# KiCad board EGSE.kicad_pcb (continued)
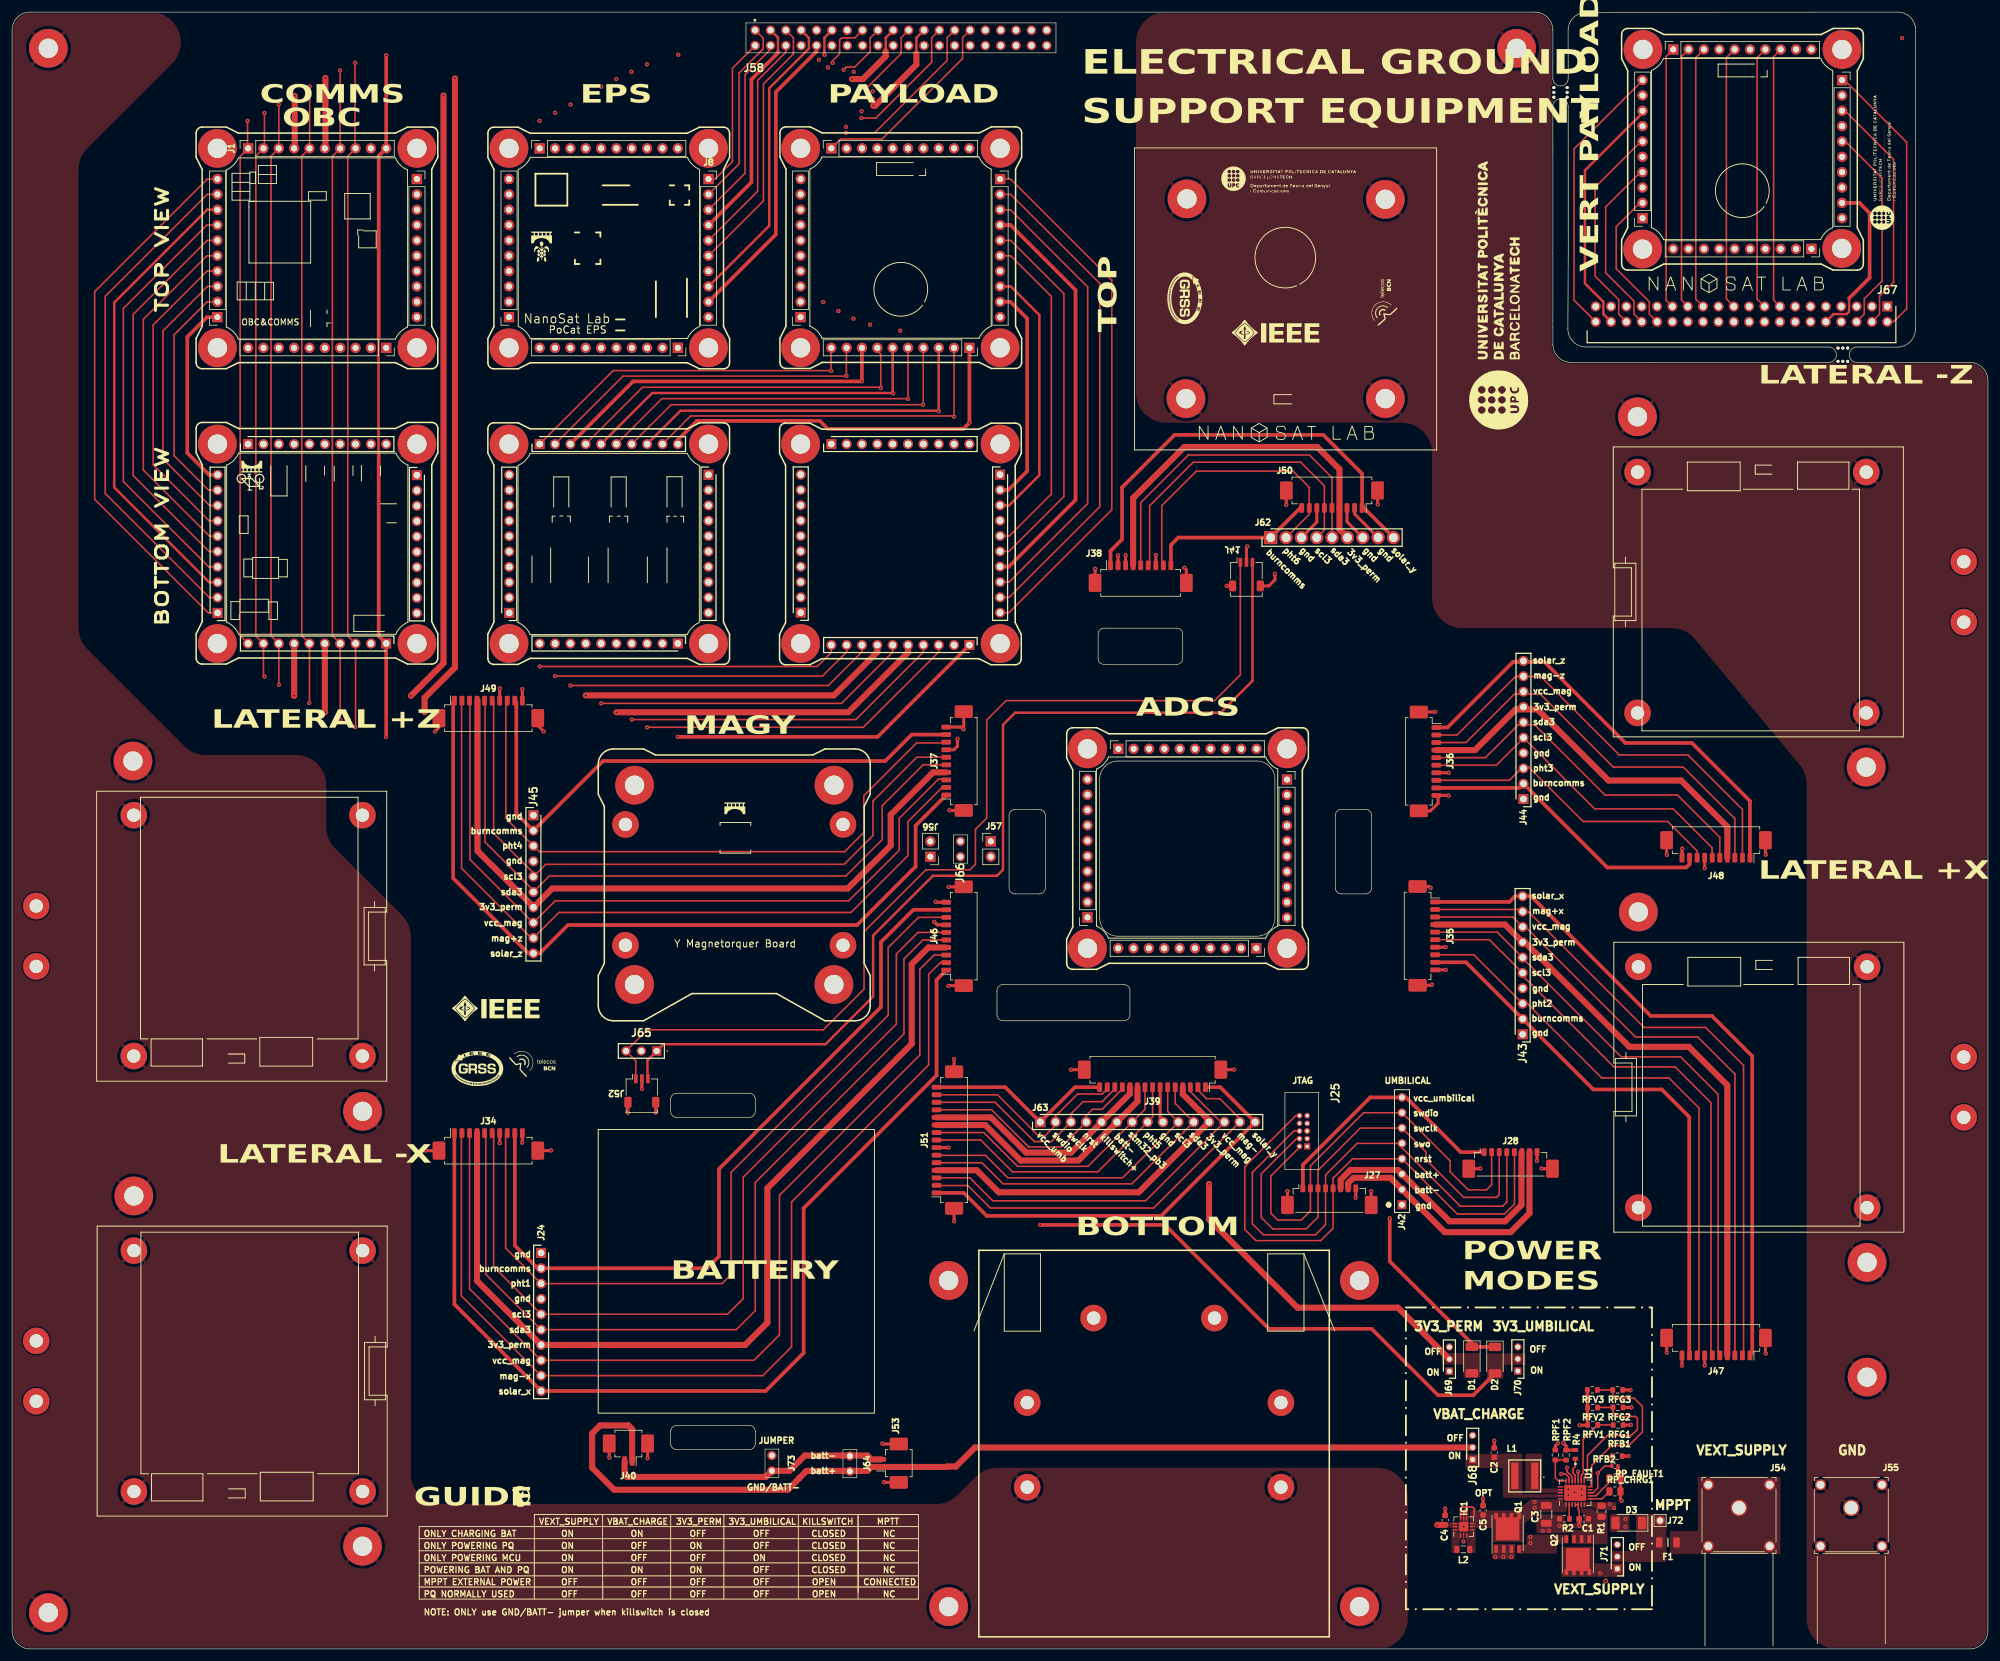
[diagram p0: board, top side]
## Library data of the parts
C1 = -: BOM_LINK: https://www.mouser.es/ProductDetail/Murata-Electronics/GRM155R61C225KE11D?qs=abmNkq9no6Dx34wqs3KPpA%3D%3D; BOM_MANUFACTURER: Murata; BOM_MANUFACTURER PART: GRM155R61C225KE11D; BOM_SUPPLIER: Mouser; BOM_SUPPLIER PART: 81-GRM155R61C225KE1D; CONTRIBUTOR: LCEDA_Lib; NAMEALIAS: Value(F); SPICEPRE: C; SPICESYMBOLNAME: C_0603_US
C2 C5 = -: BOM_LINK: https://www.mouser.es/ProductDetail/Murata-Electronics/GRM188R61A106KAALD?qs=hNud%2FORuBR1jLt1kfFGn6g%3D%3D; BOM_MANUFACTURER: Murata; BOM_MANUFACTURER PART: GRM188R61A106KAALD; BOM_SUPPLIER: Mouser; BOM_SUPPLIER PART: 81-GRM188R61A106KALD; CONTRIBUTOR: LCEDA_Lib; NAMEALIAS: Value(F); SPICEPRE: C; SPICESYMBOLNAME: C_0603_US
C3 = -: BOM_LINK: https://www.mouser.es/ProductDetail/Murata-Electronics/GRM033R61A225ME47D?qs=%2Fha2pyFaduiC0uiaBjWXbwTfZ1eMqYK7Xma06%2F3zFsdiuhBAB1jEE%2FfoI85Se8YB; BOM_MANUFACTURER: Murata; BOM_MANUFACTURER PART: GRM21BR60J107ME15K; BOM_SUPPLIER: Mouser; BOM_SUPPLIER PART: 81-GRM21BR60J107ME5K; CONTRIBUTOR: LCEDA_Lib; NAMEALIAS: Value(F); SPICEPRE: C; SPICESYMBOLNAME: C_0603_US
C4 = -: BOM_LINK: https://www.mouser.es/ProductDetail/Murata-Electronics/GRM187R61A226ME15J?qs=5aG0NVq1C4zp9gekqoIe8Q%3D%3D; BOM_MANUFACTURER: Murata; BOM_MANUFACTURER PART: GRM187R61A226ME15J; BOM_SUPPLIER: Mouser; BOM_SUPPLIER PART: 81-GRM187R61A226ME5J; CONTRIBUTOR: LCEDA_Lib; NAMEALIAS: Value(F); SPICEPRE: C; SPICESYMBOLNAME: C_0603_US
D1-D3 = -: Manufacturer 1: ROHM Semiconductor; Manufacturer Part Number 1: RBS1LAM40ATR; SPICEPRE: D; SPICESYMBOLNAME: PDZVTR4.7B; Sim.Device: SPICE; Sim.Pins: 1=1 2=2; Supplier 1: Mouser; Supplier Part Number 1: 755-RBS1LAM40ATR
F1 = -: Description: Surface Mount Fuses 0.8A Slow Blow 1206 SinglFuse; Height: 0.7; Manufacturer_Name: Bourns; Mouser Part Number: 652-SF-1206S080-2; Mouser Price/Stock: https://www.mouser.co.uk/ProductDetail/Bourns/SF-1206S080-2?qs=GIQXYiEeHGCINTv668OAKQ%3D%3D
H1-H16 H33-H48 H52 H56-H62 H67-H82 = -: Description: Mounting Hole with connection; Manufacturer 1: -; Manufacturer Part Number 1: -; Supplier 1: -; Supplier Part Number 1: -
H17-H32 H49-H51 H53-H55 H63-H66 = -: Description: Mounting Hole with connection
IC1 = -: BOM_LINK: https://es.farnell.com/renesas/isl9120irtnz/conver-dc-dc-buck-boost-0-8a-tqfn/dp/2630543?ost=isl9120irtnz; BOM_MANUFACTURER: Renesas / Intersil; BOM_SUPPLIER: Farnell; BOM_SUPPLIER PART: 2630543; SPICEPRE: I
J1-J12 J29-J33 J59-J61 = -: Description: Generic connector, single row, 01x10, script generated (kicad-library-utils/schlib/autogen/connector/); CONTRIBUTOR: George-vlad Enache; Manufacturer 1: Samtec; SPICEPRE: J; Supplier 1: Mouser; Supplier Part Number 1: 200-CES11002LS
J13-J23 J26 = -: Description: Conn Unshrouded Header HDR 10 POS 2.54mm Solder ST Thru-Hole Bulk; Height: 8.38; Manufacturer_Name: SAMTEC; Manufacturer_Part_Number: HTSW-110-07-G-S; Mouser Part Number: 200-HTSW11007GS; Mouser Price/Stock: https://www.mouser.co.uk/ProductDetail/Samtec/HTSW-110-07-G-S?qs=0lQeLiL1qyY4qSdMhVu1cw%3D%3D
J24 J43-J45 = -: Description: Conn Unshrouded Header HDR 10 POS 2.54mm Solder ST Thru-Hole Bulk; Height: 8.38; Manufacturer_Name: SAMTEC; Mouser Part Number: 200-HTSW11007GS; Mouser Price/Stock: https://www.mouser.co.uk/ProductDetail/Samtec/HTSW-110-07-G-S?qs=0lQeLiL1qyY4qSdMhVu1cw%3D%3D
J25 = -: Description: .050" Shrouded Terminal Strip For FFSD, through hole, dual row,  positions per row; Height: 5.33; Manufacturer_Name: SAMTEC; Mouser Part Number: 200-SHF10501LDTH; Mouser Price/Stock: https://www.mouser.co.uk/ProductDetail/Samtec/SHF-105-01-L-D-TH?qs=92ilVni64gw13%252BsAItGYwA%3D%3D
J27 J28 = -: Description: Generic connectable mounting pin connector, single row, 01x08, script generated (kicad-library-utils/schlib/autogen/connector/)
J34-J37 J46-J49 = -: Description: Generic connectable mounting pin connector, single row, 01x10, script generated (kicad-library-utils/schlib/autogen/connector/)
J38 J50 = -: Description: Generic connectable mounting pin connector, single row, 01x09, script generated (kicad-library-utils/schlib/autogen/connector/)
J39 J51 = -: Description: Generic connectable mounting pin connector, single row, 01x15, script generated (kicad-library-utils/schlib/autogen/connector/); BOM_JLCPCB PART CLASS: Extended Part; BOM_MANUFACTURER: MOLEX; BOM_MANUFACTURER PART: 532611471; BOM_SUPPLIER: LCSC; BOM_SUPPLIER PART: C505101; CONTRIBUTOR: LCSC; SPICEPRE: C; SPICESYMBOLNAME: 532611471
J40 J53 = -: Description: Generic connectable mounting pin connector, single row, 01x02, script generated (kicad-library-utils/schlib/autogen/connector/); BOM_JLCPCB PART CLASS: Extended Part; BOM_MANUFACTURER: MOLEX; BOM_MANUFACTURER PART: 532610271; BOM_SUPPLIER: LCSC; BOM_SUPPLIER PART: C189700; CONTRIBUTOR: LCSC; SPICEPRE: C; SPICESYMBOLNAME: 532610271
J41 J52 = -: Manufacturer 1: Molex; Manufacturer Part Number 1: 203556-0307; Supplier 1: Mouser; Supplier Part Number 1: 538-203556-0307
J42 = -: Description: CONNECTOR HEADER, 8 WAY, 1ROW; Manufacturer_Name: SAMTEC; Mouser Part Number: 200-TLW10805TS; Mouser Price/Stock: https://www.mouser.com/Search/Refine.aspx?Keyword=200-TLW10805TS
J56 J57 = -: CONTRIBUTOR: George-vlad Enache; Manufacturer 1: Samtec; SPICEPRE: J; SPICESYMBOLNAME: CES-110-02-L-S; Supplier 1: Mouser; Supplier Part Number 1: 200-CES10202LS
J58 = -: Description: 40 Position, .100&quot; Tiger Buy&trade; Socket Strip, Square Tail; Manufacturer_Name: SAMTEC; Mouser Part Number: 200-SSQ12001LD; Mouser Price/Stock: https://www.mouser.co.uk/ProductDetail/Samtec/SSQ-120-01-L-D?qs=%252BZP6%2F%252BtExtDg5xp9qJK50A%3D%3D
J62 = -: Description: BergStik, Board to Board connector, Unshrouded vertical header, Through Hole, Single Row, , 9  Positions, 2.54 mm (0.100in) Pitch.; Height: 11.43; Manufacturer_Name: Amphenol Communications Solutions; Mouser Part Number: 649-68001-109HLF; Mouser Price/Stock: https://www.mouser.co.uk/ProductDetail/Amphenol-FCI/68001-109HLF?qs=p7Li5uGGkAqGed8d9fiXyg%3D%3D
J63 = -: Description: Headers & Wire Housings KK 100 Hdr Assy Bkwy Bkwy 15 Ckt 15 SGold; Height: 8.38; Manufacturer_Name: Molex; Mouser Part Number: 538-22-28-4153; Mouser Price/Stock: https://www.mouser.co.uk/ProductDetail/Molex/22-28-4153?qs=GAPJcf4kvdsoj3RPHU9ocw%3D%3D
J64 J66 J73 = -: Description: Mod II Header,vertical,1row,2way; Height: 10.3632; Manufacturer_Name: TE Connectivity; Mouser Part Number: 571-872242; Mouser Price/Stock: https://www.mouser.co.uk/ProductDetail/TE-Connectivity/87224-2?qs=ZDXmSm13591yVHBRfmL3UQ%3D%3D
J65 = -: Description: BergStik, Board to Board connector, Unshrouded vertical Header, Through Hole, Single Row, 3 Positions, 2.54 mm Pitch.; Height: 8.58; Manufacturer_Name: Amphenol Communications Solutions; Mouser Part Number: 649-54101-S0803LF; Mouser Price/Stock: https://www.mouser.co.uk/ProductDetail/Amphenol-FCI/54101-S0803LF?qs=iiM6sTJtPEc921tw16XaKg%3D%3D
J67 = -: Description: Wurth Elektronik WR-PHD Series, Series Number 6130, 2.54mm Pitch 40 Way 2 Row Right Angle PCB Header; Height: 5.08; Manufacturer_Name: Wurth Elektronik; Mouser Part Number: 710-61304021021; Mouser Price/Stock: https://www.mouser.co.uk/ProductDetail/Wurth-Elektronik/61304021021?qs=PhR8RmCirEYuhVBB96F2cQ%3D%3D
J68-J71 = -: Description: Header, SIL, vertical, 3 way, 2mm pitch HARWIN M22 Series, 2mm Pitch 3 Way 1 Row Straight Pin Header, Through Hole, Solder Termination; Height: 5.25; Manufacturer_Name: Harwin; Mouser Part Number: 855-M22-2010305; Mouser Price/Stock: https://www.mouser.co.uk/ProductDetail/Harwin/M22-2010305?qs=xxdqPuaJ%252Ba2uPq%2FQzNRmpg%3D%3D
J72 = -: Description: Generic connector, single row, 01x01, script generated
L1 = -: Description: Inductor; Height: 3.1; Manufacturer_Name: COILCRAFT; Mouser Part Number: 994-XAL5030-222MEC; Mouser Price/Stock: https://www.mouser.co.uk/ProductDetail/Coilcraft/XAL5030-222MEC?qs=zCSbvcPd3pamMZlPWCpd5A%3D%3D
L2 = -: Description: Inductor; BOM_LINK: https://www.mouser.es/ProductDetail/TDK/TFM201610GHM-1R0MTAA?qs=%2Fha2pyFaduhFCGpDjfYY0bVS6r3wIogMLpQUADnFYLlNgBr0Z6Ta%252Bmgvt4CkS4Y0; BOM_MANUFACTURER: TDK; BOM_MANUFACTURER PART: TFM201610GHM-1R0MTAA; BOM_SUPPLIER: Mouser; BOM_SUPPLIER PART: 810-TFM201610GHM1R0A; CONTRIBUTOR: LCEDA_Lib; NAMEALIAS: Value(H); SPICEPRE: L; SPICESYMBOLNAME: L0603_US
R1 = -: BOM_LINK: https://www.mouser.es/ProductDetail/KOA-Speer/UR73V2ATTD75L0F?qs=sGAEpiMZZMvdGkrng054t0c0U24Fa%2Fv2PtepVEKuQ4tMOmwcLgCxKQ%3D%3D; BOM_MANUFACTURER: KOA Speer; BOM_MANUFACTURER PART: UR73V2ATTD75L0F; BOM_SUPPLIER: Mouser; BOM_SUPPLIER PART: 660-UR73V2ATTD75L0F; CONTRIBUTOR: LCEDA_Lib; NAMEALIAS: Value(Ω); SPICEPRE: R; SPICESYMBOLNAME: R_0603_US
R2 = -: BOM_LINK: https://www.mouser.es/ProductDetail/Panasonic/ERJ-UP3F1402V?qs=sGAEpiMZZMvdGkrng054twKDKoBh%252Bscnhuao0ys80ScQY4mcT8gT3Q%3D%3D; BOM_MANUFACTURER: Panasonic; BOM_MANUFACTURER PART: ERJ-UP3F1402V; BOM_SUPPLIER: Mouser; BOM_SUPPLIER PART: 667-ERJ-UP3F1402V; CONTRIBUTOR: LCEDA_Lib; NAMEALIAS: Value(Ω); SPICEPRE: R; SPICESYMBOLNAME: R_0603_US
R4 = -: Description: ERJPA3 Resistors 0.25W 0603 6K2 1% Panasonic ERJPA3 Series Thick Film Surface Mount Resistor 0603 Case 6.2k +/-1% 0.25W +/-100ppm/C; Height: 0.55; Manufacturer_Name: Panasonic; Mouser Part Number: 667-ERJ-PA3F6201V; Mouser Price/Stock: https://www.mouser.co.uk/ProductDetail/Panasonic/ERJ-PA3F6201V?qs=BzJM0faLVqUykc6RL1xFzg%3D%3D
RFB1 RPF1 = -: BOM_LINK: https://www.mouser.es/ProductDetail/KOA-Speer/SG73P1ETTP6802F?qs=sGAEpiMZZMvdGkrng054t%2Fj9PfXFS6zMtnsHp5o8qAo%3D; BOM_MANUFACTURER: KOA Speer; BOM_MANUFACTURER PART: SG73P1ETTP6802F; BOM_SUPPLIER: Mouser; BOM_SUPPLIER PART: 660-SG73P1ETTP6802F; CONTRIBUTOR: LCEDA_Lib; NAMEALIAS: Value(Ω); SPICEPRE: R; SPICESYMBOLNAME: R_0603_US
RFB2 = -: BOM_LINK: https://www.mouser.es/ProductDetail/Panasonic/ERJ-U02F2553X?qs=sGAEpiMZZMvdGkrng054txgTq5MjvbWtPCwoi3rdllI%3D; BOM_MANUFACTURER: Panasonic; BOM_MANUFACTURER PART: ERJ-U02F2553X; BOM_SUPPLIER: Mouser; BOM_SUPPLIER PART: 667-ERJ-U02F2553X; CONTRIBUTOR: LCEDA_Lib; NAMEALIAS: Value(Ω); SPICEPRE: R; SPICESYMBOLNAME: R_0603_US
RFG1-RFG3 RFV1-RFV3 = -: BOM_LINK: https://www.mouser.es/ProductDetail/Vishay-Thin-Film/PCAN0805E1001BST5?qs=0KABoAvMNWeyXKsybicfjw%3D%3D; BOM_MANUFACTURER: Vishay / Thin Film; BOM_MANUFACTURER PART: PCAN0805E1001BST5; BOM_SUPPLIER: Mouser; BOM_SUPPLIER PART: 71-PCAN0805E1001BST5; CONTRIBUTOR: LCEDA_Lib; NAMEALIAS: Value(Ω); SPICEPRE: R; SPICESYMBOLNAME: R_0603_US
RP_CHRG1 RP_FAULT1 = -: BOM_LINK: https://www.mouser.es/ProductDetail/Vishay-Dale/CRCW08055K00JNTA?qs=%2Fha2pyFadui6t5gBae62ocFJ46SNue422n5luvT1xmc7fnXInubqKA%3D%3D; BOM_MANUFACTURER: Vishay / Dale; BOM_MANUFACTURER PART: CRCW08055K00JNTA; BOM_SUPPLIER: Mouser; BOM_SUPPLIER PART: 71-CRCW0805J-5K; CONTRIBUTOR: LCEDA_Lib; NAMEALIAS: Value(Ω); SPICEPRE: R; SPICESYMBOLNAME: R_0603_US
RPF2 = -: BOM_LINK: https://www.mouser.es/ProductDetail/Panasonic/ERJ-P03F1473V?qs=sGAEpiMZZMvdGkrng054t5hHekyimr99EMoi5JbftpE%3D; BOM_MANUFACTURER: Panasonic; BOM_MANUFACTURER PART: ERJ-P03F1473V; BOM_SUPPLIER: Mouser; BOM_SUPPLIER PART: 667-ERJ-P03F1473V; CONTRIBUTOR: LCEDA_Lib; NAMEALIAS: Value(Ω); SPICEPRE: R; SPICESYMBOLNAME: R_0603_US
U1 = -: BOM_LINK: https://www.mouser.es/ProductDetail/Analog-Devices/LTC4040IUFDPBF?qs=%2Fha2pyFaduhslB6zepk2GQRpgXpkn%252BRmQKoOcXefPKszCB%252BpcRTQKaS81iJsFwbo; BOM_MANUFACTURER: Analog Devices; BOM_MANUFACTURER PART: LTC4040IUFD#PBF; BOM_SUPPLIER: Mouser; BOM_SUPPLIER PART: 584-LTC4040IUFD#PBF; CONTRIBUTOR: LCSC; PACKAGE DISPLAY: No; SPICEPRE: U

## Footprints (pads in the part's own frame, mm; a bottom-side part is the same pattern mirrored in y, then rotated)
54101S0803LF
  rect 1.53x1.53 hole 1.02: 1(0,0)
  round 1.53 hole 1.02: 2(2.54,0) 3(5.08,0)
73099-2
  round 2.718 hole 2.21: 1(0,0)
  round 1.803 hole 1.295: 2(-5.08,6.35) 3(-5.08,-3.81) 4(5.08,-3.81) 5(5.08,6.35)
872242
  round 1.501 hole 0.965: 1(0,0) 2(2.54,0)
C_0603_1608Metric
  rrect 0.9x0.95 smd: 1(-0.775,0) 2(0.775,0)
C_1206_3216Metric
  rrect 1.15x1.8 smd: 1(-1.475,0) 2(1.475,0)
CES-102-02
  rect 1.7x1.7 hole 1: 1(0.022,1.302)
  oval 1.7x1.7 hole 1: 2(0.022,-1.238)
ERJP03_PA3__0603_
  rect 0.65x0.9 smd: 1(-0.725,0) 2(0.725,0)
FUSC3116X70N
  rect 1.07x1.68 smd: 1(-1.43,0) 2(1.43,0)
HDRRA40W64P254_2X20_5080X254X508P
  rect 1.65x1.65 hole 1.1: 1(0,0)
  round 1.65 hole 1.1: 2(0,2.54) 3(2.54,0) 4(2.54,2.54) 5(5.08,0) 6(5.08,2.54) 7(7.62,0) 8(7.62,2.54) 9(10.16,0) 10(10.16,2.54) 11(12.7,0) 12(12.7,2.54) 13(15.24,0) 14(15.24,2.54) 15(17.78,0) 16(17.78,2.54) 17(20.32,0) 18(20.32,2.54) 19(22.86,0) 20(22.86,2.54) 21(25.4,0) 22(25.4,2.54) 23(27.94,0) 24(27.94,2.54) 25(30.48,0) 26(30.48,2.54) 27(33.02,0) 28(33.02,2.54) 29(35.56,0) 30(35.56,2.54) 31(38.1,0) 32(38.1,2.54) 33(40.64,0) 34(40.64,2.54) 35(43.18,0) 36(43.18,2.54) 37(45.72,0) 38(45.72,2.54) 39(48.26,0) 40(48.26,2.54)
HDRV3W60P0X200_1X3_600X200X525P
  rect 1.2x1.2 hole 0.8: 1(0,0)
  round 1.2 hole 0.8: 2(2,0) 3(4,0)
HDRV9W90P0X254_1X9_2286X241X1143P
  rect 2.175x2.175 hole 1.45: 1(0,0)
  round 2.175 hole 1.45: 2(2.54,0) 3(5.08,0) 4(7.62,0) 5(10.16,0) 6(12.7,0) 7(15.24,0) 8(17.78,0) 9(20.32,0)
HDRV10W64P0X254_1X10_2540X248X838P
  rect 1.65x1.65 hole 1.1: 1(0,0)
  round 1.65 hole 1.1: 2(-2.54,0) 3(-5.08,0) 4(-7.62,0) 5(-10.16,0) 6(-12.7,0) 7(-15.24,0) 8(-17.78,0) 9(-20.32,0) 10(-22.86,0)
HDRV15W66P0X254_1X15_3810X249X838P
  rect 1.725x1.725 hole 1.15: 1(0,0)
  round 1.725 hole 1.15: 2(2.54,0) 3(5.08,0) 4(7.62,0) 5(10.16,0) 6(12.7,0) 7(15.24,0) 8(17.78,0) 9(20.32,0) 10(22.86,0) 11(25.4,0) 12(27.94,0) 13(30.48,0) 14(33.02,0) 15(35.56,0)
ISL9120IRTNZ
  rrect 0.64x0.64 smd: (-0.4,0.4) (-0.4,-0.4) (0.4,0.4) (0.4,-0.4)
  rrect 0.825x0.25 smd: 1(-1.438,0.5) 2(-1.438,0) 3(-1.438,-0.5) 7(1.438,-0.5) 8(1.438,0) 9(1.438,0.5)
  rrect 0.25x0.825 smd: 4(-0.5,-1.438) 5(0,-1.438) 6(0.5,-1.438) 10(0.5,1.438) 11(0,1.438) 12(-0.5,1.438)
  rect 1.6x1.6 smd: 13(0,0)
L_0805_2012Metric
  rrect 0.875x1.2 smd: 1(-1.062,0) 2(1.062,0)
Molex_PicoBlade_53261-0271_1x02-1MP_P1.25mm_Horizontal
  rrect 0.8x1.6 smd: 1(-0.625,2.4) 2(0.625,2.4)
  rrect 2.1x3 smd: MP(-3.175,-0.5) MP(3.175,-0.5)
Molex_PicoBlade_53261-0971_1x09-1MP_P1.25mm_Horizontal
  rrect 0.8x1.6 smd: 1(-5,2.4) 2(-3.75,2.4) 3(-2.5,2.4) 4(-1.25,2.4) 5(0,2.4) 6(1.25,2.4) 7(2.5,2.4) 8(3.75,2.4) 9(5,2.4)
  rrect 2.1x3 smd: MP(-7.55,-0.5) MP(7.55,-0.5)
Molex_PicoBlade_53261-1071_1x10-1MP_P1.25mm_Horizontal
  rrect 0.8x1.6 smd: 1(-5.625,2.4) 2(-4.375,2.4) 3(-3.125,2.4) 4(-1.875,2.4) 5(-0.625,2.4) 6(0.625,2.4) 7(1.875,2.4) 8(3.125,2.4) 9(4.375,2.4) 10(5.625,2.4)
  rrect 2.1x3 smd: MP(-8.175,-0.5) MP(8.175,-0.5)
Molex_PicoBlade_53261-1571_1x15-1MP_P1.25mm_Horizontal
  rrect 0.8x1.6 smd: 1(-8.75,2.4) 2(-7.5,2.4) 3(-6.25,2.4) 4(-5,2.4) 5(-3.75,2.4) 6(-2.5,2.4) 7(-1.25,2.4) 8(0,2.4) 9(1.25,2.4) 10(2.5,2.4) 11(3.75,2.4) 12(5,2.4) 13(6.25,2.4) 14(7.5,2.4) 15(8.75,2.4)
  rrect 2.1x3 smd: MP(-11.3,-0.5) MP(11.3,-0.5)
Molex_PicoBlade_53398-0871_1x08-1MP_P1.25mm_Vertical
  rrect 0.8x1.3 smd: 1(-4.375,1.25) 2(-3.125,1.25) 3(-1.875,1.25) 4(-0.625,1.25) 5(0.625,1.25) 6(1.875,1.25) 7(3.125,1.25) 8(4.375,1.25)
  rrect 2.1x3 smd: MP(-6.925,-1.5) MP(6.925,-1.5)
MountingHole_2.2mm_M2_Pad
  round 4.4 hole 2.2: 1(0,0)
MountingHole_3.2mm_M3_Pad
  round 6.4 hole 3.2: 1(0,0)
mouse-bite-2.54mm-slot
  round 0.5 hole 0.5 unplated: (-0.8,1.1) (-0.8,-1.1) (0,1.1) (0,-1.1) (0.8,1.1) (0.8,-1.1)
Picoclasp03
  rrect 0.6x1.5 smd far side: 1(0.775,2.82) 2(-0.225,2.82) 3(-1.225,2.82)
  rrect 1.2x1.8 smd far side: MP(-2.525,-1.08) MP(2.075,-1.08)
Pin_D0.9mm_L10.0mm_W2.4mm_FlatFork
  round 1.5 hole 1: 1(0,0)
PinSocket_1x10_P2.54mm_Vertical
  rect 1.7x1.7 hole 1: 1(0,0)
  oval 1.7x1.7 hole 1: 2(0,-2.54) 3(0,-5.08) 4(0,-7.62) 5(0,-10.16) 6(0,-12.7) 7(0,-15.24) 8(0,-17.78) 9(0,-20.32) 10(0,-22.86)
QFN-24-1EP_4x5mm_P0.5mm_EP2.65x3.65mm
  rrect 1.07x0.98 smd: (-0.66,1.22) (-0.66,0) (-0.66,-1.22) (0.66,1.22) (0.66,0) (0.66,-1.22)
  rrect 0.85x0.25 smd: 1(-1.95,1.5) 2(-1.95,1) 3(-1.95,0.5) 4(-1.95,0) 5(-1.95,-0.5) 6(-1.95,-1) 7(-1.95,-1.5) 13(1.95,-1.5) 14(1.95,-1) 15(1.95,-0.5) 16(1.95,0) 17(1.95,0.5) 18(1.95,1) 19(1.95,1.5)
  rrect 0.25x0.85 smd: 8(-1,-2.45) 9(-0.5,-2.45) 10(0,-2.45) 11(0.5,-2.45) 12(1,-2.45) 20(1,2.45) 21(0.5,2.45) 22(0,2.45) 23(-0.5,2.45) 24(-1,2.45)
  rect 2.65x3.65 smd: 25(0,0)
R_0402_1005Metric
  rrect 0.54x0.64 smd: 1(-0.51,0) 2(0.51,0)
R_0603_1608Metric
  rrect 0.8x0.95 smd: 1(-0.825,0) 2(0.825,0)
R_0805_2012Metric
  rrect 1.025x1.4 smd: 1(-0.912,0) 2(0.912,0)
RBS1LAM40ATR_Schottky
  rrect 1.4x2.1 smd: 1(-2.2,0) 2(2.2,0)
SAMTEC_TLW-108-05-T-S
  rect 1.448x1.448 hole 0.965: 1(-17.78,0)
  round 1.448 hole 0.965: 2(-15.24,0) 3(-12.7,0) 4(-10.16,0) 5(-7.62,0) 6(-5.08,0) 7(-2.54,0) 8(0,0)
SHF10501LDTH
  rect 1x1 hole 0.54: 1(0,0)
  round 0.94 hole 0.54: 2(0,1.27) 3(1.27,0) 4(1.27,1.27) 6(2.54,1.27) 7(3.81,0) 8(3.81,1.27) 9(5.08,0) 10(5.08,1.27)
  round 1 hole 0.54: 5(2.54,0)
SIR424DP
  rect 1.27x0.61 smd: 1(-2.67,1.905) 2(-2.67,0.635) 3(-2.67,-0.635) 4(-2.67,-1.905)
  rect 3.81x3.91 smd: 5(0.69,0)
  rect 1.02x0.61 smd: 5(2.795,1.905) 5(2.795,0.635) 5(2.795,-0.635) 5(2.795,-1.905)
SSQ-120-XX-YYY-D
  round 1.55 hole 1.02: 1(0,0) 2(0,2.54) 3(-2.54,0) 4(-2.54,2.54) 5(-5.08,0) 6(-5.08,2.54) 7(-7.62,0) 8(-7.62,2.54) 9(-10.16,0) 10(-10.16,2.54) 11(-12.7,0) 12(-12.7,2.54) 13(-15.24,0) 14(-15.24,2.54) 15(-17.78,0) 16(-17.78,2.54) 17(-20.32,0) 18(-20.32,2.54) 19(-22.86,0) 20(-22.86,2.54) 21(-25.4,0) 22(-25.4,2.54) 23(-27.94,0) 24(-27.94,2.54) 25(-30.48,0) 26(-30.48,2.54) 27(-33.02,0) 28(-33.02,2.54) 29(-35.56,0) 30(-35.56,2.54) 31(-38.1,0) 32(-38.1,2.54) 33(-40.64,0) 34(-40.64,2.54) 35(-43.18,0) 36(-43.18,2.54) 37(-45.72,0) 38(-45.72,2.54) 39(-48.26,0) 40(-48.26,2.54)
unnamed
  round 4.4 hole 2.2: 1(0,0)
XAL5030222MEC
  rect 1.18x4.4 smd: 1(-1.655,0) 2(1.655,0)

## Nets
3V3_PERM: D1.2 J1.10 J7.10 J11.10 J15.1 J19.1 J22.1 J24.7 J32.10 J34.4 J35.4 J36.4 J37.4 J38.4 J39.4 J43.7 J44.7 J45.7 J46.4 J47.4 J48.4 J49.4 J50.4 J51.4 J58.11 J59.10 J62.6 J63.12 J67.11 J69.2
/3V3_EGSE: C4.2 IC1.10 IC1.11 J69.1 J70.1
/VCC_MAG: J24.8 J34.3 J35.3 J36.3 J37.3 J39.3 J43.8 J44.8 J45.8 J46.3 J47.3 J48.3 J49.3 J51.3 J56.1 J57.1 J63.13 J66.1
/VCC_Umbilical: J27.1 J28.1 J42.8
/VIN: D3.1 F1.2 J71.2 J72.1
GND: C1.2 C2.2 C3.2 C4.1 C5.1 D3.2 H1.1 H2.1 H3.1 H4.1 H5.1 H6.1 H7.1 H8.1 H9.1 H10.1 H11.1 H12.1 H13.1 H14.1 H15.1 H16.1 H17.1 H18.1 H19.1 H20.1 H21.1 H22.1 H23.1 H24.1 H25.1 H26.1 H27.1 H28.1 H29.1 H30.1 H31.1 H32.1 H33.1 H34.1 H35.1 H36.1 H37.1 H38.1 H39.1 H40.1 H41.1 H42.1 H43.1 H44.1 H45.1 H46.1 H47.1 H48.1 H49.1 H50.1 H51.1 H52.1 H53.1 H54.1 H55.1 H56.1 H57.1 H58.1 H59.1 H60.1 H61.1 H62.1 H63.1 H64.1 H65.1 H66.1 H67.1 H68.1 H69.1 H70.1 H71.1 H72.1 H73.1 H74.1 H75.1 H76.1 H77.1 H78.1 H79.1 H80.1 H81.1 H82.1 IC1.2 IC1.7 IC1.8 IC1.13 J1.9 J4.7 J4.10 J7.9 J8.7 J8.10 J11.9 J12.7 J12.10 J15.2 J16.1 J16.4 J18.1 J18.4 J19.2 J22.2 J23.1 J23.4 J24.1 J24.4 J25.3 J25.5 J27.8 J27.MP J28.8 J28.MP J32.9 J33.7 J33.10 J34.7 J34.10 J34.MP J35.7 J35.10 J35.MP J36.7 J36.10 J36.MP J37.7 J37.10 J37.MP J38.2 J38.3 J38.7 J38.MP J39.7 J39.MP J40.MP J41.2 J41.MP J42.1 J43.1 J43.4 J44.1 J44.4 J45.1 J45.4 J46.7 J46.10 J46.MP J47.7 J47.10 J47.MP J48.7 J48.10 J48.MP J49.7 J49.10 J49.MP J50.2 J50.3 J50.7 J50.MP J51.7 J51.MP J52.2 J52.MP J53.MP J55.1 J55.2 J55.3 J55.4 J55.5 J58.8 J58.9 J58.13 J59.9 J61.7 J61.10 J62.3 J62.7 J62.8 J63.9 J65.2 J67.8 J67.9 J67.13 J73.1 R2.2 RFB1.2 RFG1.1 RFG2.1 RFG3.1 RPF1.2 U1.4 U1.5 U1.17 U1.25
VCC: D1.1 D2.1 J25.1
VCC_UMBILICAL: D2.2 J3.8 J6.8 J10.8 J14.3 J17.3 J21.3 J31.8 J39.15 J51.15 J58.26 J60.8 J63.1 J67.26 J70.2
/CHOUT: C3.1 C5.2 IC1.5 IC1.6 IC1.9 Q1.5 RFB2.2 RFV1.2 RFV2.2 RFV3.2 RP_CHRG1.2 RP_FAULT1.2 U1.1 U1.24
/CLPROG_2: U1.3
/F0: RFG1.2 RFV1.1 U1.14
/F1: RFG2.2 RFV2.1 U1.13
/F2: RFG3.2 RFV3.1 U1.12
/IGATE: Q1.4 Q2.4 U1.15
/MAG+X: J35.2 J43.9 J47.2
/MAG+Y: J56.2 J57.2 J66.2
/MAG+Z: J37.2 J45.9 J49.2
/MAG-X: J24.9 J34.2 J46.2
/MAG-Y: J39.2 J51.2 J63.14
/MAG-Z: J36.2 J44.9 J48.2
/OVSNS: R4.1 U1.16
/PFO_2: U1.20
/PHT1: J24.3 J34.8 J46.8
/PHT2: J35.8 J43.3 J47.8
/PHT3: J36.8 J44.3 J48.8
/PHT4: J37.8 J45.3 J49.8
/PHT5: J39.8 J51.8 J63.8
/PHT6: J38.8 J50.8 J62.2
/PROG: R2.1 U1.2
/RST_2: U1.11
/SWO: J25.6 J27.4 J28.4 J42.5
/VSUPPLY: F1.1 J54.1 J54.2 J54.3 J54.4 J54.5
ADC_PH: J3.5 J6.5 J10.5 J14.6 J17.6 J21.6 J31.5 J58.20 J60.5 J67.20
ADC_PL: J2.9 J5.9 J9.9 J13.2 J20.2 J26.2 J29.9 J30.9 J58.39 J67.39
ADCS_POWER: J3.3 J6.3 J10.3 J14.8 J17.8 J21.8 J31.3 J58.16 J60.3 J67.16
BATT+: J27.6 J28.6 J40.1 J42.3 J53.1 J64.2 J68.2
BATT-: J1.6 J7.6 J11.6 J15.5 J19.5 J22.5 J27.7 J28.7 J32.6 J39.10 J40.2 J42.2 J51.10 J53.2 J58.19 J59.6 J63.6 J64.1 J67.19 J73.2
BATT_NTC: J4.3 J8.3 J12.3 J16.8 J18.8 J23.8 J33.3 J41.1 J52.1 J58.4 J61.3 J65.3 J67.4
BURNCOMMS: J4.9 J8.9 J12.9 J16.2 J18.2 J23.2 J24.2 J33.9 J34.9 J35.9 J36.9 J37.9 J38.9 J43.2 J44.2 J45.2 J46.9 J47.9 J48.9 J49.9 J50.9 J58.10 J61.9 J62.1 J67.10
CHRG: J3.10 J6.10 J10.10 J14.1 J17.1 J21.1 J31.10 J58.30 J60.10 J67.30 RP_CHRG1.1 U1.8
CHRGOFF: J2.2 J5.2 J9.2 J13.9 J20.9 J26.9 J29.2 J30.2 J58.32 J67.32
CLPROG: J2.3 J5.3 J9.3 J13.8 J20.8 J26.8 J29.3 J30.3 J58.33 J67.33
DAC_PL: J2.8 J5.8 J9.8 J13.3 J20.3 J26.3 J29.8 J30.8 J58.38 J67.38
FAULT: J3.9 J6.9 J10.9 J14.2 J17.2 J21.2 J31.9 J58.28 J60.9 J67.28 RP_FAULT1.1 U1.9
HEATER_PWR: J4.8 J8.8 J12.8 J16.3 J18.3 J23.3 J33.8 J41.3 J52.3 J58.7 J61.8 J65.1 J67.7
KILLSWITCH+: J1.4 J7.4 J11.4 J15.7 J19.7 J22.7 J32.4 J39.11 J51.11 J58.23 J59.4 J63.5 J67.23
NC: J1.7 J7.7 J11.7 J15.4 J19.4 J22.4 J32.7 J58.17 J59.7 J67.17
NRST: J2.5 J5.5 J9.5 J13.6 J20.6 J25.10 J26.6 J27.5 J28.5 J29.5 J30.5 J39.12 J42.4 J51.12 J58.35 J63.4 J67.35
P/L_POWER: J3.6 J6.6 J10.6 J14.5 J17.5 J21.5 J31.6 J58.22 J60.6 J67.22
PFO: J1.5 J7.5 J11.5 J15.6 J19.6 J22.6 J32.5 J58.21 J59.5 J67.21
RST_DRIVERS: J3.4 J6.4 J10.4 J14.7 J17.7 J21.7 J31.4 J58.18 J60.4 J67.18
SCL1: J1.2 J7.2 J11.2 J15.9 J19.9 J22.9 J32.2 J58.27 J59.2 J67.27
SCL3: J2.10 J5.10 J9.10 J13.1 J20.1 J24.5 J26.1 J29.10 J30.10 J34.6 J35.6 J36.6 J37.6 J38.6 J39.6 J43.5 J44.5 J45.5 J46.6 J47.6 J48.6 J49.6 J50.6 J51.6 J58.40 J62.4 J63.10 J67.40
SDA1: J1.1 J7.1 J11.1 J15.10 J19.10 J22.10 J32.1 J58.29 J59.1 J67.29
SDA3: J2.4 J5.4 J9.4 J13.7 J20.7 J24.6 J26.7 J29.4 J30.4 J34.5 J35.5 J36.5 J37.5 J38.5 J39.5 J43.6 J44.6 J45.6 J46.5 J47.5 J48.5 J49.5 J50.5 J51.5 J58.34 J62.5 J63.11 J67.34
SEL_PH0: J3.7 J6.7 J10.7 J14.4 J17.4 J21.4 J31.7 J58.24 J60.7 J67.24
SEL_PH1: J4.6 J8.6 J12.6 J16.5 J18.5 J23.5 J33.6 J58.5 J61.6 J67.5
SEL_PH2: J4.5 J8.5 J12.5 J16.6 J18.6 J23.6 J33.5 J58.6 J61.5 J67.6
SOLAR_X: J2.1 J5.1 J9.1 J13.10 J20.10 J24.10 J26.10 J29.1 J30.1 J34.1 J35.1 J43.10 J46.1 J47.1 J58.31 J67.31
SOLAR_Y: J4.4 J8.4 J12.4 J16.7 J18.7 J23.7 J33.4 J38.1 J39.1 J50.1 J51.1 J58.3 J61.4 J62.9 J63.15 J67.3
SOLAR_Z: J3.1 J6.1 J10.1 J14.10 J17.10 J21.10 J31.1 J36.1 J37.1 J44.10 J45.10 J48.1 J49.1 J58.12 J60.1 J67.12
STM32_PA15: J4.1 J8.1 J12.1 J16.10 J18.10 J23.10 J33.1 J58.2 J61.1 J67.2
STM32_PB0: J3.2 J6.2 J10.2 J14.9 J17.9 J21.9 J31.2 J58.14 J60.2 J67.14
STM32_PB3: J4.2 J8.2 J12.2 J16.9 J18.9 J23.9 J33.2 J39.9 J51.9 J58.1 J61.2 J63.7 J67.1
SWCLK: J2.7 J5.7 J9.7 J13.4 J20.4 J25.4 J26.4 J27.3 J28.3 J29.7 J30.7 J39.13 J42.6 J51.13 J58.37 J63.3 J67.37
SWDIO: J2.6 J5.6 J9.6 J13.5 J20.5 J25.2 J26.5 J27.2 J28.2 J29.6 J30.6 J39.14 J42.7 J51.14 J58.36 J63.2 J67.36
UART_RX: J1.3 J7.3 J11.3 J15.8 J19.8 J22.8 J32.3 J58.25 J59.3 J67.25
UART_TX: J1.8 J7.8 J11.8 J15.3 J19.3 J22.3 J32.8 J58.15 J59.8 J67.15
Net-(IC1-LX1_1): IC1.3 IC1.4 L2.1
Net-(IC1-LX2_1): IC1.1 IC1.12 L2.2
Net-(L1-Pad1): L1.1 U1.21 U1.22
Net-(Q2-D): J71.1 Q2.5 R4.2 RPF2.1
Net-(U1-BAT): C2.1 J68.1 L1.2 U1.23
Net-(U1-BSTFB): RFB1.1 RFB2.1 U1.10 U1.18
Net-(U1-CLN): Q1.1 Q1.2 Q1.3 R1.1 U1.7
Net-(U1-PFI): RPF1.1 RPF2.2 U1.19
Net-(U1-VIN): C1.1 Q2.1 Q2.2 Q2.3 R1.2 U1.6

Pads without a net: J25 7 8 9; J68 3; J69 3; J70 3; J71 3; NOREF 1; NOREF#2 1; NOREF#3 1; NOREF#4 1; NOREF#5 1; NOREF#6 1; NOREF#7 1; NOREF#8 1

## Via types
v1: diameter 0.7, hole 0.3, Top to Bottom, 171 vias
v2: diameter 0.8, hole 0.4, Top to Bottom, 1 via

## Routing (per net, layer and track width the routed paths; a pad name or vN(x,y) marks a point on that pad's centre or on a via; arc(x,y) is an arc through that point)
3V3_PERM: length 1123.8
  Top w0.4: 60.67,216.9 60.65,216.88 60.65,197.82 60.67,197.8 ; 134.43,263.94 134.43,266.75 J58.11
  Top w0.6: J22.1 143.24,151 v1(110.17,151) ; 60.67,197.8 60.67,167.71 J19.1 61.92,151.03 v1(61.87,150.99) ; v1(61.92,263.85) J1.10 60.67,247.19 60.67,216.9 ; v1(134.45,263.93) 134.43,263.94
  Top w1: J35.4 247.07,119.93 J43.7 250.35,117 267.66,99.69 277.51,99.69 283.87,93.33 283.87,48.61 ; 77.03,157.05 77.03,132.11 86.28,122.85 J45.7 89.39,125.89 138.3,125.89 145.42,133.01 145.42,138.12 152.43,145.12 J37.4 ; J46.4 151.64,116.12 148.88,113.37 148.88,100.16 125,76.28 125,54 121.32,50.32 J24.7 76.95,60.93 J34.4 ; J69.2 229.36,56.5 212.73,56.5 198.09,71.14 v1(198.09,77) ; J39.4 193.75,91.85 198.09,87.51 J63.12 186.46,75.6 163.3,75.6 159.65,79.25 J51.4 ; J62.6 219.68,185.32 J50.4 219.68,195.32 216,199 194.01,199 185.54,190.53 J38.4 ; J36.4 242.11,148.81 248.85,155.55 252.45,155.55 264.22,143.78 276.22,143.78 283.88,136.12 J48.4
  In2.Cu w0.6: J32.10 205.95,152.46 196.9,161.51 162.49,161.51 158.44,165.56 J22.1 ; v1(61.87,150.99) 61.89,151 v1(110.17,151) 110.17,165.4 110.18,165.41 J15.1 ; v1(61.92,263.85) 61.93,263.86 110.18,263.86 v1(110.25,263.93) 110.25,248.5 J7.10
  In2.Cu w1: v1(198.09,77) J63.12 ; J59.10 297.78,268.38 299.2,269.8 309.7,269.8 v1(312.8,266.7)
  In4.Cu w0.6: v1(110.25,263.93) 110.26,263.94 134.44,263.94 v1(134.45,263.93) 154.07,263.93 158.44,259.56 J11.10
  In4.Cu w1: v1(312.8,266.7) 312.8,229.1 308.8,225.1 299.2,225.1 297.64,223.54 J67.11
/3V3_EGSE: length 41.3
  Top w0.5: 237.19,20.55 C4.2
  Top w1: 235.88,20.55 237.19,20.55
  In2.Cu w1: 238,43 237.88,43.12 J69.1 ; 238,43 248,43 249.21,44.21 J70.1 ; 238,43 235.83,40.83 v1(235.83,20.5)
/VCC_MAG: length 530.4
  Top w0.25: J48.3 285.12,131 285.12,137.45 276.58,146 265,146 252.91,158.09 248.64,158.09 240.61,150.06 J36.3 ; 75.7,85.27 75.7,59.63 J24.8 122.78,47.78 127,52 127,75.09 150.22,98.31 150.22,112.51 152.58,114.88 J46.3 ; J37.3 154.48,144 153.3,144 146.82,137.52 146.82,132.23 138.44,123.85 89.89,123.85 J45.8 86.22,120.25 75.78,130.69 75.78,157.05 ; J63.13 187.6,74.2 162.3,74.2 158.5,78 J51.3 ; J39.3 195,92.27 200.17,87.1 200.61,87.1 ; J47.3 285.12,95.18 278.99,101.32 268.68,101.32 250.46,119.54 J43.8 248.36,121.18 J35.3
  In2.Cu w0.4: 161.97,133.85 160.64,133.85 158.16,131.37 151.93,131.37
/VCC_Umbilical: length 42.3
  Top w0.6: J28.1 239.75,82.25 230.69,91.31 J42.8 224.78,91.31 213.62,80.16 J27.1
GND: length 174.3
  Top w0.25: U1.17 258.2,28.5 257.34,29.35 v1(257.34,30.01) ; U1.5 259.2,23.09 259.35,22.93 C1.2
  Top w0.3: 258.83,23.9 259.07,23.9
  Top w0.5: J46.MP 155.02,126.18 v1(155,126.16) ; v1(152.61,120.37) 153.11,119.88 J46.7 ; v1(242.99,79.55) 242.94,79.5 J28.MP ; J34.MP 68.47,82.5 v1(68.44,82.54) ; v1(280.12,129.27) 280.12,129.27 J48.7 ; v1(88,151.9) 87,152.9 J49.MP ; J46.MP 155.04,109.82 v1(154.97,109.76) ; J37.MP 155.17,138.82 v1(155.13,138.87) ; v1(276.41,132.51) 276.38,132.47 J48.10 ; J36.MP 234.76,138.76 236,140 236,141.03 J36.10 237.69,141.31 v1(237.73,141.27) ; v1(80.71,83.74) 80.7,83.75 J34.7 ; v1(267.91,37.1) 267.89,37.07 RFG1.1 ; J49.10 84.45,158.69 84.45,158.7 84.45,158.7 v1(84.45,158.92) ; J35.MP 234.55,126.23 v1(234.78,126) ; J40.MP 98.82,31.7 v1(98.85,31.67) ; v1(280.13,46.92) 280.12,46.92 J47.7 ; v1(89.2,82.54) 89.16,82.5 J34.MP ; v1(101.91,88.76) 101.91,90.49 J52.MP ; v1(210.87,189.41) 210.88,189.42 J50.MP ; J39.MP 202.23,95.9 v1(202.25,95.92) ; v1(237.26,112.43) 237.25,112.43 J35.10 ; v1(290.24,48.91) 290.18,48.97 J47.MP ; J40.MP 105.18,31.58 v1(105.18,31.58) ; v1(276.35,46.91) 276.38,46.93 J47.10 ; v1(226.02,189.49) 225.98,189.53 J50.MP ; J27.MP 224.93,75.77 v1(224.92,75.78) ; v1(268,40) 267.98,39.98 RFG2.1 ; RFB1.2 267.56,31.92 v1(267.58,31.93) ; v1(237.76,145.05) 237.75,145.06 J36.7 ; J35.MP 234.88,109.88 v1(235,110) ; J48.MP 290.18,131.56 v1(290.24,131.49) ; v1(222.35,74.7) 222.38,74.72 J27.8 ; J48.MP 273.82,131.5 v1(273.87,131.46) ; RPF1.2 255.41,33.61 v1(255.85,34.05) ; 253.91,20.48 253.91,20.48 ; v1(267.85,42.83) 267.8,42.88 RFG3.1 ; v1(144.3,27.61) 144.34,27.57 J53.MP ; J50.2 222.18,187.9 J62.8 ; v1(184.28,181.06) 184.29,181.06 J38.3 ; J52.2 104.22,92.74 v1(104.26,92.71) ; v1(183.03,181.05) 183.04,181.05 J38.2 ; C4.1 v1(237.18,23.23) ; J53.MP 144.1,33.93 v1(144.03,33.99) ; v1(194,179) 194.34,178.66 J38.MP ; J36.MP 235.51,155.11 v1(235.53,155.13) ; J38.7 189.29,181.1 v1(189.29,181.11) ; v1(237.25,116.2) 237.22,116.18 J35.7 ; v1(155.9,97.66) 155.9,97.65 J51.MP ; 206.58,176 208,176 209,177 v1(209,178) ; J50.3 220.93,186.61 J62.7 ; J62.3 215.93,186.55 J50.7 ; J28.MP 253.17,79.5 v1(253.13,79.55) ; J41.2 204.28,182.38 v1(204.43,182.53) ; J51.MP 155.9,70.82 v1(155.9,70.81) ; J34.10 84.45,83.87 v1(84.41,83.83) ; J41.MP v1(201,176) ; v1(106.52,88.78) 106.52,90.5 J52.MP ; v1(179.25,178.83) 179.24,178.82 J38.MP ; J37.MP 157.5,152.29 v1(157.46,152.26) 157.09,152.62 J37.10 ; J37.7 155.88,148.88 156.45,149.45 v1(156.45,150.67) ; J46.10 152.93,123.62 v1(152.86,123.69) ; J27.MP 211.07,75.81 v1(211.08,75.82) ; v1(252.35,80.8) 252.38,80.83 J28.8 ; C2.2 v1(245.31,34.48) ; C5.1 243.45,24.86 v1(243.43,24.88) ; v1(70,151.9) 70.65,152.55 J49.MP ; C1.2 259.35,20.41 v1(259.38,20.38) ; J49.7 v1(80.71,159.03) ; J39.MP v1(175.24,95.9) ; J63.9 190,87.71 J39.7 ; J51.7 v1(155,83) ; v1(273.85,49.05) 273.82,49.08 J47.MP
  vias: v1(133.54,263.09) v1(135.02,261.83) v1(138,252) v1(139.3,261.1) v1(140.6,254.6) v1(142.4,257.9) v1(142.5,256.64) v1(240.25,20.25) v1(240.23,17.78) v1(240.53,22.78) v1(253.33,19.53) v1(254.38,19.53) v1(256.08,20.38) v1(257.54,26.44) v1(257.55,25.44) v1(258.64,25.94) v1(259.73,26.44) v1(259.75,25.41) v1(267.01,21.51) v1(267.01,20.22) v2(263.75,11.25)
VCC: length 52.7
  Top w0.6: D2.1 241.63,50.01 D1.1 241.6,50.57 228,64.17 v1(228,71.29)
  In2.Cu w0.6: J25.1 221.79,83.21 228,77 v1(228,71.29)
VCC_UMBILICAL: length 581.1
  Top w0.6: J39.15 175.92,93 J63.1 170,87.39 169.98,87.39 164.36,93 J51.15 ; 140.65,209.85 102.78,209.85 J14.3 ; J10.8 140.64,215.39 v1(140.64,209.89) ; D2.2 241.81,42 236,42 225,53 208,53 190.8,70.2 v1(170.15,70.2)
  In2.Cu w0.4: 152.11,216.26 152.11,214.34 ; 281.14,223.66 281.14,220.99 J67.26 ; 154.61,249.93 154.61,247
  In2.Cu w0.6: 154.61,247 154.61,247 154.61,218.76 152.11,216.26 ; 152.11,214.34 151.05,213.29 141.65,213.29 140.66,214.28 J10.8 ; 140.8,209.89 174.11,209.89 233.79,150.21 233.79,116.79 221.36,104.36 196.33,104.36 188.14,112.55 J31.8 ; J21.3 140.64,199.5 v1(140.64,209.89) ; v1(170.15,70.2) J63.1 ; J58.26 154.56,264.36 154.56,249.55 ; J60.8 281.1,230.7 281.1,223.3 ; J3.8 J17.3 ; J6.8 J14.3
  In4.Cu w0.6: J17.3 54.66,210 86.99,210 J6.8
/CHOUT: length 18.3
  Top w0.3: 242,22 242,23.21 241.73,23.48 240.03,23.48 239.73,23.18 IC1.9
  Top w0.5: RFV3.2 260.71,37.03 v1(259.43,37.03) ; v1(266.38,24.53) 266.18,24.73 RP_CHRG1.2 RP_FAULT1.2 266.18,29.18 265.78,29.58 RFB2.2
  vias: v1(251.98,24.33) v1(251.98,23.38)
/F0: length 13
  Top w0.25: RFG1.2 264.97,37.09 RFV1.1 260,34.67 260,29.06 259.7,28.76 U1.14
/F1: length 24.1
  Top w0.25: U1.13 260.2,28.46 260.73,28.98 260.73,32.03 264.03,35.33 267.98,35.33 269,36.35 269,38.15 268.66,38.48 265.68,38.48 264.95,39.21 RFG2.2 262.41,39.98
/F2: length 27.6
  Top w0.25: RFV3.1 RFG3.2 264.93,42.86 264.93,42.08 265.47,41.53 268.43,41.53 269.83,40.13 269.83,35.93 267.58,33.68 264.73,33.68 261.43,30.38 261.43,27.13 U1.12
/IGATE: length 1.5
  Top w0.25: U1.15 259.2,29.31 v1(259.18,29.33)
  vias: v1(251.28,18.53) v1(251.28,17.53)
/MAG+X: length 109.8
  Top w0.25: J47.2 286.55,48.78 286.55,96.61 280.26,102.9 270.1,102.9 250.92,122.08 J43.9 249.65,122.43 J35.2
/MAG+Y: length 18.6
  In2.Cu w0.25: J56.2 154.95,133.7 157.41,136.16 162.94,136.16 163.95,135.15 163.95,132.16 162.95,131.16 162.12,131.16
/MAG+Z: length 126.5
  Top w0.25: 74.53,157.05 74.38,156.9 74.38,129.25 85.93,117.71 J45.9 90.51,121.93 138.85,121.93 148.26,131.35 148.26,136.96 153.93,142.62 J37.2
/MAG-X: length 163.7
  Top w0.25: 74.36,85.17 74.36,58.44 J24.9 124.24,45.24 129,50 129,74 151.69,96.69 151.69,111.69 153.62,113.62 J46.2 ; 74.35,85.3 J34.2
/MAG-Y: length 67.5
  Top w0.25: J51.2 153.03,76.72 158.18,76.72 161.9,73 188.94,73 J63.14 203.17,87.8 199.88,91.1 197.68,91.1 196.25,92.53 J39.2
/MAG-Z: length 71.8
  Top w0.25: J36.2 239.14,151.31 248.83,161 253,161 266,148 277.36,148 286.38,138.99 J48.2
/OVSNS: length 4
  Top w0.25: U1.16 258.7,28.73 258.33,29.11 258.33,29.83 258.73,30.23 R4.1
/PHT1: length 136
  Top w0.25: J46.8 150.02,121.12 145,116.11 145,104.92 119,78.92 119,62 117.48,60.48 J24.3 81.68,66.36 81.68,84.99 ; 81.68,85.13 J34.8
/PHT2: length 95.3
  Top w0.25: J35.8 241.91,114.93 J43.3 250.77,106.84 263.07,94.54 274.19,94.54 279.18,89.55 279.18,48.91 J47.8
/PHT3: length 50.9
  Top w0.25: J48.8 278.88,132.12 274,137 260,137 251,146 250,146 247.81,143.81 J36.8
/PHT4: length 105.8
  Top w0.25: J49.8 81.71,156.76 81.71,137.51 J45.3 87.23,132 137.79,132 140.95,135.16 140.95,141.25 149.7,150 154.48,150 J37.8
/PHT5: length 46.6
  Top w0.25: J39.8 188.75,88.05 J63.8 179.7,79 165.56,79 160.31,84.25 J51.8
/PHT6: length 47.8
  Top w0.25: J62.2 214.68,187.84 J50.8 214.68,192.32 212,195 196,195 190.26,189.26 190.26,179.67 J38.8
/PROG: length 2.4
  Top w0.25: R2.1 257.7,21.59 U1.2
